# Altium PCB top_INA_v2.PcbDoc (part 2 of 4)
Units mil, origin at the board's own origin, x right, y up, seen from the top; angles counter-clockwise.
Board outline 13413.03 x 6200.01 mil, 2 copper layers (Top Layer, Bottom Layer); 582 components, 532 nets, 1562 pads, 336 vias.
Unrouted connection lines stored in the file: 144.
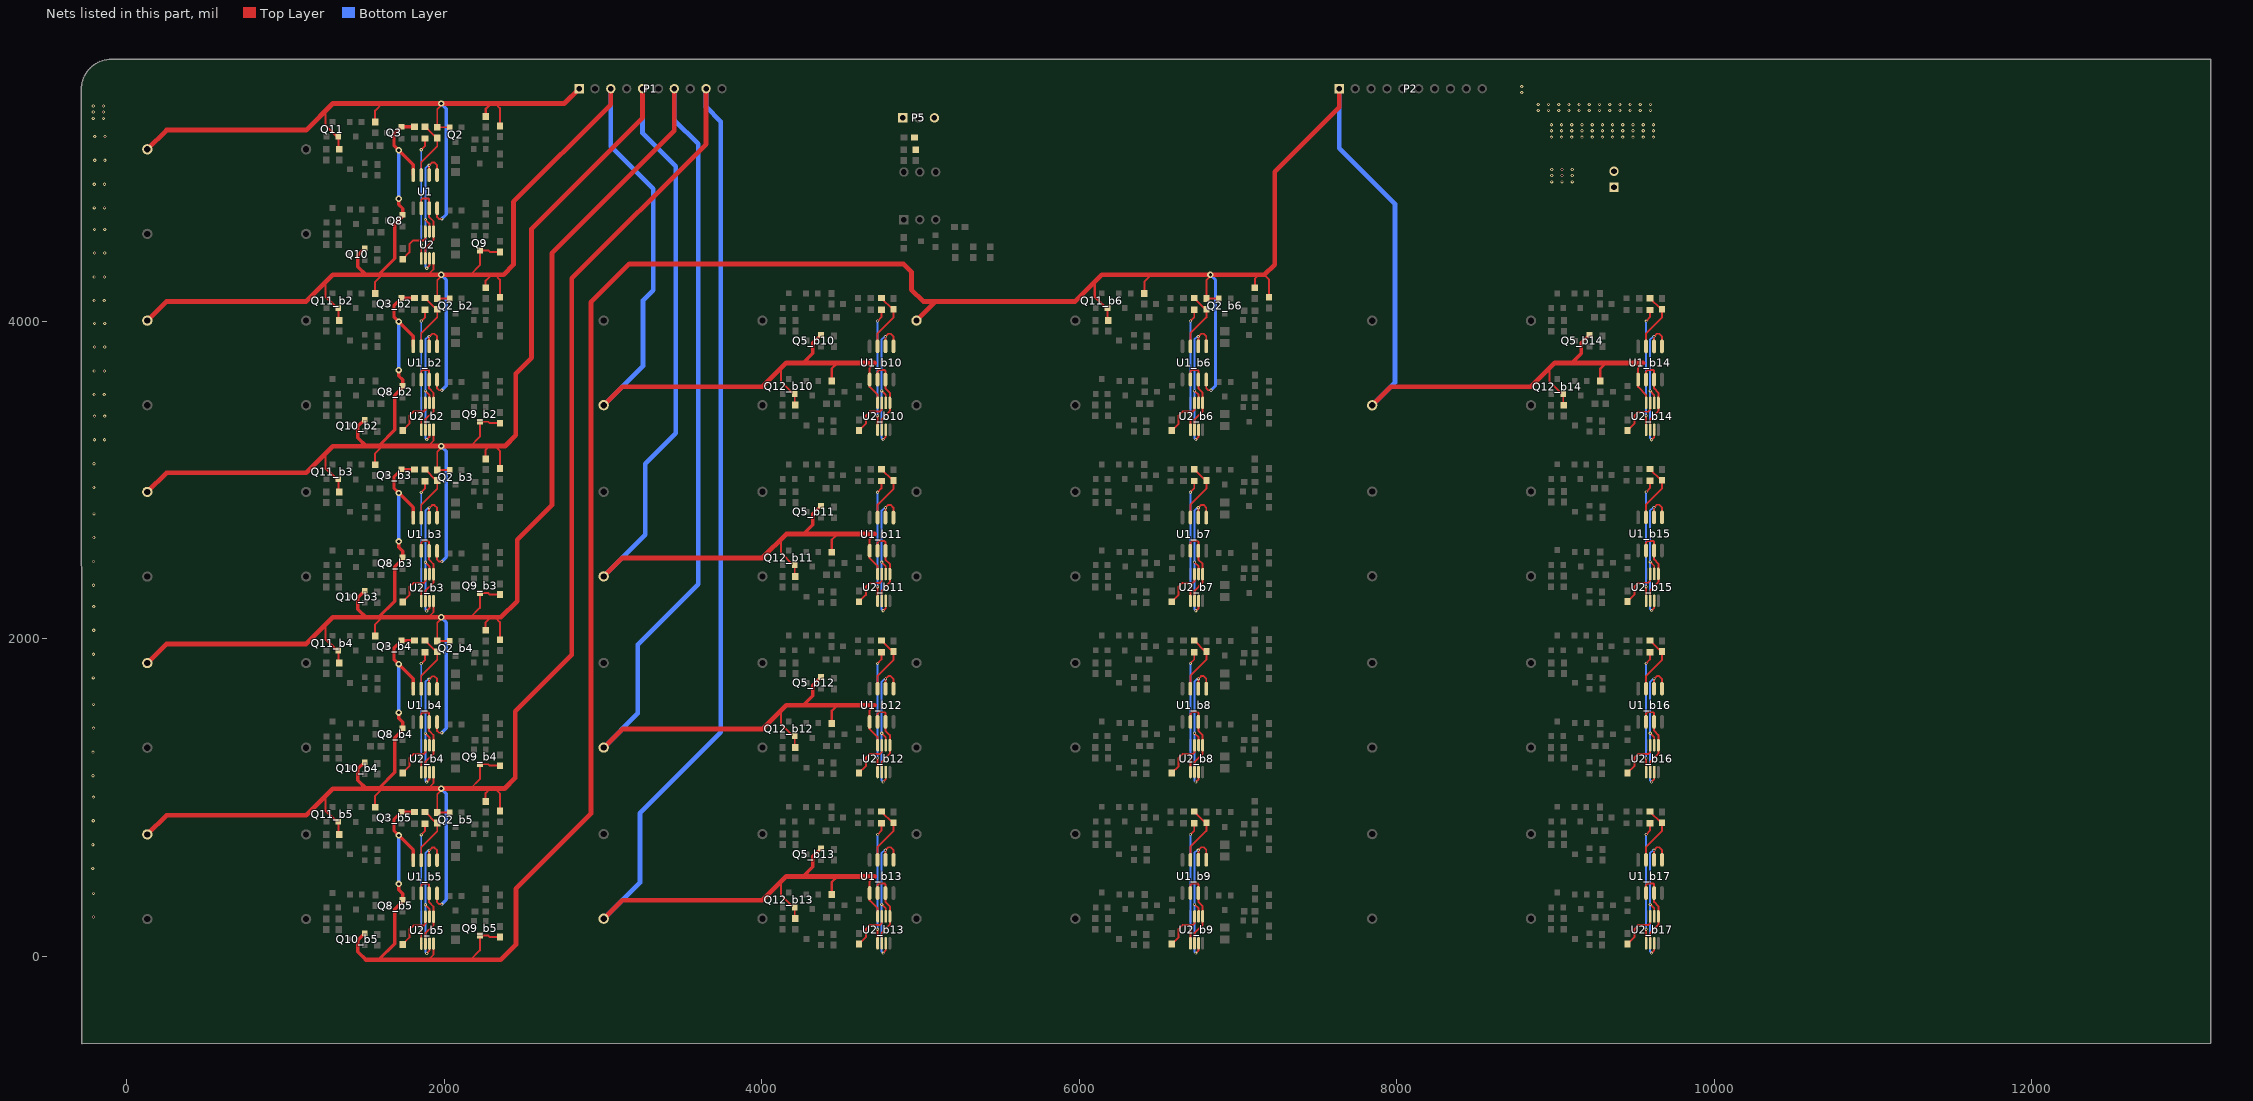
[diagram p2: the nets of this part, all layers, seen from the top]

## Components (designator, comment, footprint, x,y, rotation, side; value= is the part's Value field where it differs from the comment) (continued)
U2_b6 "INA2180" MSOP-8 6738.87,3400.54 r90 top (schematic designator U2)
U2_b7 "INA2180" MSOP-8 6738.87,2322.54 r90 top (schematic designator U2)
U2_b8 "INA2180" MSOP-8 6738.87,1244.54 r90 top (schematic designator U2)
U2_b9 "INA2180" MSOP-8 6738.87,166.54 r90 top (schematic designator U2)
U2_b10 "INA2180" MSOP-8 4768.87,3400.54 r90 top (schematic designator U2)
U2_b11 "INA2180" MSOP-8 4768.87,2322.54 r90 top (schematic designator U2)
U2_b12 "INA2180" MSOP-8 4768.87,1244.54 r90 top (schematic designator U2)
U2_b13 "INA2180" MSOP-8 4768.87,166.54 r90 top (schematic designator U2)
U2_b14 "INA2180" MSOP-8 9608.87,3400.28 r90 top (schematic designator U2)
U2_b15 "INA2180" MSOP-8 9608.87,2323.54 r90 top (schematic designator U2)
U2_b16 "INA2180" MSOP-8 9608.87,1244.54 r90 top (schematic designator U2)
U2_b17 "INA2180" MSOP-8 9608.87,166.54 r90 top (schematic designator U2)

## Footprints (in the part's own frame and the unit in brackets; to place one, negate y for a bottom-side part, rotate by r counter-clockwise, add the part's x,y. Pads: shape width x height; smd on the part's side, far side on the other; paste and mask are expansions set on the pad)
0603-1 [mm] "0603带丝印"
  rect 1.1x1 smd: 1(-0.85,0) 2(0.85,0)
  silkscreen extent -1.65,-0.76 1.65,0.76, body extent -0.8,-0.4 0.8,0.4, height 0.3
AXIAL-1.0 [mm] "Adjustable Magnetic-Core Inductor; 2 Leads"
  round 1.65 hole 1: 1(-12.7,0) 2(12.7,0)
  silkscreen extent -10.79,-3.81 10.79,3.81
C-0603 [mm] "贴片电容"
  rect 1.1x1 smd: 1(-0.85,0) 2(0.85,0)
  silkscreen extent -1.73,-0.76 1.73,0.76, body extent -0.8,-0.4 0.8,0.4, height 0.3
DIP-6 [mm]
  rect 1.5x1.5 hole 0.9: 1(-3.81,2.54)
  round 1.5 hole 0.9: 2(-3.81,0) 3(-3.81,-2.54) 4(3.81,-2.54) 5(3.81,0) 6(3.81,2.54)
  silkscreen extent -3.93,-3.94 2.65,3.96, body extent -3.6,-3.94 3.6,3.88, height 5.08
HDR2X1-2.54 [mm] "2.54单排针排座"
  rect 1.5x1.5 hole 0.9: 1(0,0)
  round 1.5 hole 0.9: 2(2.54,0)
  silkscreen extent -1.27,-1.27 3.81,1.27, body extent -1.27,-1.27 3.81,1.27, height 8.54
HDR3X1-2.54 [mm] "2.54单排针排座"
  rect 1.5x1.5 hole 0.9: 1(0,0)
  round 1.5 hole 0.9: 2(2.54,0) 3(5.08,0)
  silkscreen extent -1.27,-1.27 6.35,1.27, body extent -1.27,-1.27 6.35,1.27, height 8.54
HDR10X1-2.54 [mm]
  rect 1.5x1.5 hole 0.9: 1(-12.7,0)
  round 1.5 hole 0.9: 2(-10.16,0) 3(-7.62,0) 4(-5.08,0) 5(-2.54,0) 6(0,0) 7(2.54,0) 8(5.08,0) 9(7.62,0) 10(10.16,0)
  silkscreen extent -13.97,-1.27 11.43,1.27
LED-0805 [mm] "贴片LED"
  rect 1.3x1.5 smd: 1(-0.95,0) 2(0.95,0)
  silkscreen extent 1.91,-0.63 1.91,0.64
MSOP-8 [mm] "TSOP"
  oval 2x0.45 smd: 1(-2.15,0.975) 2(-2.15,0.325) 3(-2.15,-0.325) 4(-2.15,-0.975) 5(2.15,-0.975) 6(2.15,-0.325) 7(2.15,0.325) 8(2.15,0.975)
  silkscreen extent -2.27,-1.55 0.75,1.87, body extent -2.5,-1.5 2.5,1.5, height 0.85
SOIC-8 [mm]
  oval 2.2x0.6 smd: 1(-2.654,1.905) 2(-2.654,0.635) 3(-2.654,-0.635) 4(-2.654,-1.905) 5(2.654,-1.905) 6(2.654,-0.635) 7(2.654,0.635) 8(2.654,1.905)
  silkscreen extent -2.52,-2.5 0.9,2.88, body extent -3,-2.45 3,2.45, height 1.7
SOT23-3 [mm]
  rect 0.9x0.95 smd: 1(-0.95,-1.175) 2(0.95,-1.175) 3(0,1.175)
  silkscreen extent -2.03,-1.14 1.3,1.18, body extent -1.45,-1.4 1.45,1.4, height 1.2

## Part data
C1: "贴片瓷片电容"
D1 D1_b2 D1_b3 D1_b4 D1_b5 D1_b6 D1_b7 D1_b8 D1_b9 D2 D2_b2 D2_b3 D2_b4 D2_b5 D2_b6 D2_b7 D2_b8 D2_b9: library part Diode-R, "整流二极管"
J1: "固态继电器"
P1 P2 P5 P6: "接插件"
Q1 Q1_b2 Q1_b3 Q1_b4 Q1_b5 Q1_b6 Q1_b7 Q1_b8 Q1_b9 Q1_b10 Q1_b11 Q1_b12 Q1_b13 Q1_b14 Q1_b15 Q1_b16 Q1_b17 Q2 Q2_b2 Q2_b3 Q2_b4 Q2_b5 Q2_b6 Q2_b7 Q2_b8 Q2_b9 Q6 Q6_b2 Q6_b3 Q6_b4 Q6_b5 Q6_b6 Q6_b7 Q6_b8 Q6_b9 Q6_b10 Q6_b11 Q6_b12 Q6_b13 Q6_b14 Q6_b15 Q6_b16 Q6_b17 Q7 Q7_b2 Q7_b3 Q7_b4 Q7_b5 Q7_b6 Q7_b7 Q7_b8 Q7_b9 Q11 Q11_b2 Q11_b3 Q11_b4 Q11_b5 Q11_b6 Q11_b7 Q11_b8 Q11_b9 Q11_b10 Q11_b11 Q11_b12 Q11_b13 Q11_b14 Q11_b15 Q11_b16 Q11_b17 Q12 Q12_b2 Q12_b3 Q12_b4 Q12_b5 Q12_b6 Q12_b7 Q12_b8 Q12_b9 Q12_b10 Q12_b11 Q12_b12 Q12_b13 Q12_b14 Q12_b15 Q12_b16 Q12_b17: library part PNP1, "贴片三极管"
Q3 Q3_b2 Q3_b3 Q3_b4 Q3_b5 Q3_b6 Q3_b7 Q3_b8 Q3_b9 Q3_b10 Q3_b11 Q3_b12 Q3_b13 Q3_b14 Q3_b15 Q3_b16 Q3_b17 Q8 Q8_b2 Q8_b3 Q8_b4 Q8_b5 Q8_b6 Q8_b7 Q8_b8 Q8_b9 Q8_b10 Q8_b11 Q8_b12 Q8_b13 Q8_b14 Q8_b15 Q8_b16 Q8_b17 Q13: library part NPN1, "贴片三极管"
Q4 Q4_b2 Q4_b3 Q4_b4 Q4_b5 Q4_b6 Q4_b7 Q4_b8 Q4_b9 Q9 Q9_b2 Q9_b3 Q9_b4 Q9_b5 Q9_b6 Q9_b7 Q9_b8 Q9_b9: "可控精密稳压源"
Q5 Q5_b2 Q5_b3 Q5_b4 Q5_b5 Q5_b6 Q5_b7 Q5_b8 Q5_b9 Q5_b10 Q5_b11 Q5_b12 Q5_b13 Q5_b14 Q5_b15 Q5_b16 Q5_b17 Q10 Q10_b2 Q10_b3 Q10_b4 Q10_b5 Q10_b6 Q10_b7 Q10_b8 Q10_b9 Q10_b10 Q10_b11 Q10_b12 Q10_b13 Q10_b14 Q10_b15 Q10_b16 Q10_b17: library part MOSFET-N1, "MOSFET"
R1 R1_b2 R1_b3 R1_b4 R1_b5 R1_b6 R1_b7 R1_b8 R1_b9 R1_b10 R1_b11 R1_b12 R1_b13 R1_b14 R1_b15 R1_b16 R1_b17 R6 R6_b2 R6_b3 R6_b4 R6_b5 R6_b6 R6_b7 R6_b8 R6_b9 R6_b10 R6_b11 R6_b12 R6_b13 R6_b14 R6_b15 R6_b16 R6_b17 R7 R7_b2 R7_b3 R7_b4 R7_b5 R7_b6 R7_b7 R7_b8 R7_b9 R8 R8_b2 R8_b3 R8_b4 R8_b5 R8_b6 R8_b7 R8_b8 R8_b9 R9 R9_b2 R9_b3 R9_b4 R9_b5 R9_b6 R9_b7 R9_b8 R9_b9 R9_b10 R9_b11 R9_b12 R9_b13 R9_b14 R9_b15 R9_b16 R9_b17 R10 R10_b2 R10_b3 R10_b4 R10_b5 R10_b6 R10_b7 R10_b8 R10_b9 R10_b10 R10_b11 R10_b12 R10_b13 R10_b14 R10_b15 R10_b16 R10_b17 R11 R11_b2 R11_b3 R11_b4 R11_b5 R11_b6 R11_b7 R11_b8 R11_b9 R11_b10 R11_b11 R11_b12 R11_b13 R11_b14 R11_b15 R11_b16 R11_b17 R12 R12_b2 R12_b3 R12_b4 R12_b5 R12_b6 R12_b7 R12_b8 R12_b9 R12_b10 R12_b11 R12_b12 R12_b13 R12_b14 R12_b15 R12_b16 R12_b17 R13 R13_b2 R13_b3 R13_b4 R13_b5 R13_b6 R13_b7 R13_b8 R13_b9 R14 R14_b2 R14_b3 R14_b4 R14_b5 R14_b6 R14_b7 R14_b8 R14_b9 R14_b10 R14_b11 R14_b12 R14_b13 R14_b14 R14_b15 R14_b16 R14_b17 R19 R19_b2 R19_b3 R19_b4 R19_b5 R19_b6 R19_b7 R19_b8 R19_b9 R19_b10 R19_b11 R19_b12 R19_b13 R19_b14 R19_b15 R19_b16 R19_b17 R20 R20_b2 R20_b3 R20_b4 R20_b5 R20_b6 R20_b7 R20_b8 R20_b9 R21 R21_b2 R21_b3 R21_b4 R21_b5 R21_b6 R21_b7 R21_b8 R21_b9 R22 R22_b2 R22_b3 R22_b4 R22_b5 R22_b6 R22_b7 R22_b8 R22_b9 R22_b10 R22_b11 R22_b12 R22_b13 R22_b14 R22_b15 R22_b16 R22_b17 R23 R23_b2 R23_b3 R23_b4 R23_b5 R23_b6 R23_b7 R23_b8 R23_b9 R23_b10 R23_b11 R23_b12 R23_b13 R23_b14 R23_b15 R23_b16 R23_b17 R24 R24_b2 R24_b3 R24_b4 R24_b5 R24_b6 R24_b7 R24_b8 R24_b9 R25 R26 R27 R28 R29 R30 R31 R32 R32_b2 R32_b3 R32_b4 R32_b5 R32_b6 R32_b7 R32_b8 R32_b9 R33 R33_b2 R33_b3 R33_b4 R33_b5 R33_b6 R33_b7 R33_b8 R33_b9 R35 R35_b2 R35_b3 R35_b4 R35_b5 R35_b6 R35_b7 R35_b8 R35_b9 R35_b10 R35_b11 R35_b12 R35_b13 R35_b14 R35_b15 R35_b16 R35_b17 R37 R37_b2 R37_b3 R37_b4 R37_b5 R37_b6 R37_b7 R37_b8 R37_b9 R37_b10 R37_b11 R37_b12 R37_b13 R37_b14 R37_b15 R37_b16 R37_b17 R39 R39_b2 R39_b3 R39_b4 R39_b5 R39_b6 R39_b7 R39_b8 R39_b9 R39_b10 R39_b11 R39_b12 R39_b13 R39_b14 R39_b15 R39_b16 R39_b17 R40 R40_b2 R40_b3 R40_b4 R40_b5 R40_b6 R40_b7 R40_b8 R40_b9 R40_b10 R40_b11 R40_b12 R40_b13 R40_b14 R40_b15 R40_b16 R40_b17 R41 R41_b2 R41_b3 R41_b4 R41_b5 R41_b6 R41_b7 R41_b8 R41_b9 R41_b10 R41_b11 R41_b12 R41_b13 R41_b14 R41_b15 R41_b16 R41_b17 R42 R42_b2 R42_b3 R42_b4 R42_b5 R42_b6 R42_b7 R42_b8 R42_b9 R42_b10 R42_b11 R42_b12 R42_b13 R42_b14 R42_b15 R42_b16 R42_b17: "贴片电阻"
U1 U1_b2 U1_b3 U1_b4 U1_b5 U1_b6 U1_b7 U1_b8 U1_b9 U1_b10 U1_b11 U1_b12 U1_b13 U1_b14 U1_b15 U1_b16 U1_b17: "双运放"
U2 U2_b2 U2_b3 U2_b4 U2_b5 U2_b6 U2_b7 U2_b8 U2_b9 U2_b10 U2_b11 U2_b12 U2_b13 U2_b14 U2_b15 U2_b16 U2_b17: library part LM358, "双运放"

## Via types
v1: diameter 20, hole 10, Top Layer to Bottom Layer, 283 vias
v2: diameter 40, hole 20, Top Layer to Bottom Layer, 51 vias
v3: diameter 125.98, hole 125.98, Top Layer to Bottom Layer, 2 vias

## Nets (pads, with @x,y where several pads share a name; then routed paths per layer and width w, separated by ;. In a path a pad name is that pad's centre, name@x,y a point inside that pad or via, vN(x,y) a via of type N, cw(c..) or ccw(c..) an arc to the next point about the centre after c; other vN are vias at no path point)
+12V: P5.1
ALARM: C1.1 P5.3 R27.2
G1_VC1_BUF: U1.1 U1.2 U2.3 U2.6 | length 1011.1
  Top Layer w12: v1(1881.87,4639.54) 1907.66,4613.74 U2.6@1907.66,4564.18 ; v1(1890.87,4332.54) 1907.66,4349.33 U2.3@1907.66,4394.89 U2.3@1908.39,4395.62 ; U1.2@1905.87,4920.02 v1(1905.87,4981.54) 1923.87,4999.54 1938.87,4999.54 1955.87,4982.54 U1.1@1955.87,4920.02
  Bottom Layer w12: v1(1890.87,4332.54) 1881.87,4341.54 v1(1881.87,4639.54) 1881.87,4963.54 1899.87,4981.54 v1(1905.87,4981.54)
G1_VC1_BUF_b2: U1_b2.1 U1_b2.2 U2_b2.3 U2_b2.6 | length 1011.1
  Top Layer w12: v1(1881.87,3560.54) 1907.66,3534.74 U2_b2.6@1907.66,3485.18 ; v1(1890.87,3253.54) 1907.66,3270.33 U2_b2.3@1907.66,3315.89 U2_b2.3@1908.39,3316.62 ; U1_b2.2@1905.87,3841.02 v1(1905.87,3902.54) 1923.87,3920.54 1938.87,3920.54 1955.87,3903.54 U1_b2.1@1955.87,3841.02
  Bottom Layer w12: v1(1890.87,3253.54) 1881.87,3262.54 v1(1881.87,3560.54) 1881.87,3884.54 1899.87,3902.54 v1(1905.87,3902.54)
G1_VC1_BUF_b3: U1_b3.1 U1_b3.2 U2_b3.3 U2_b3.6 | length 1011.1
  Top Layer w12: v1(1881.87,2481.54) 1907.66,2455.74 U2_b3.6@1907.66,2406.18 ; v1(1890.87,2174.54) 1907.66,2191.33 U2_b3.3@1907.66,2236.89 U2_b3.3@1908.39,2237.62 ; U1_b3.2@1905.87,2762.02 v1(1905.87,2823.54) 1923.87,2841.54 1938.87,2841.54 1955.87,2824.54 U1_b3.1@1955.87,2762.02
  Bottom Layer w12: v1(1890.87,2174.54) 1881.87,2183.54 v1(1881.87,2481.54) 1881.87,2805.54 1899.87,2823.54 v1(1905.87,2823.54)
G1_VC1_BUF_b4: U1_b4.1 U1_b4.2 U2_b4.3 U2_b4.6 | length 1011.1
  Top Layer w12: v1(1881.87,1403.54) 1907.66,1377.74 U2_b4.6@1907.66,1328.18 ; v1(1890.87,1096.54) 1907.66,1113.33 U2_b4.3@1907.66,1158.89 U2_b4.3@1908.39,1159.62 ; U1_b4.2@1905.87,1684.02 v1(1905.87,1745.54) 1923.87,1763.54 1938.87,1763.54 1955.87,1746.54 U1_b4.1@1955.87,1684.02
  Bottom Layer w12: v1(1890.87,1096.54) 1881.87,1105.54 v1(1881.87,1403.54) 1881.87,1727.54 1899.87,1745.54 v1(1905.87,1745.54)
G1_VC1_BUF_b5: U1_b5.1 U1_b5.2 U2_b5.3 U2_b5.6 | length 1011.1
  Top Layer w12: v1(1881.87,324.54) 1907.66,298.74 U2_b5.6@1907.66,249.18 ; v1(1890.87,17.54) 1907.66,34.33 U2_b5.3@1907.66,79.89 U2_b5.3@1908.39,80.62 ; U1_b5.2@1905.87,605.02 v1(1905.87,666.54) 1923.87,684.54 1938.87,684.54 1955.87,667.54 U1_b5.1@1955.87,605.02
  Bottom Layer w12: v1(1890.87,17.54) 1881.87,26.54 v1(1881.87,324.54) 1881.87,648.54 1899.87,666.54 v1(1905.87,666.54)
G1_VC1_BUF_b6: U1_b6.1 U1_b6.2 U2_b6.3 U2_b6.6 | length 1011.1
  Top Layer w12: v1(6725.87,3560.54) 6751.66,3534.74 U2_b6.6@6751.66,3485.18 ; v1(6734.87,3253.54) 6751.66,3270.33 U2_b6.3@6751.66,3315.89 U2_b6.3@6752.39,3316.62 ; U1_b6.2@6749.87,3841.02 v1(6749.87,3902.54) 6767.87,3920.54 6782.87,3920.54 6799.87,3903.54 U1_b6.1@6799.87,3841.02
  Bottom Layer w12: v1(6734.87,3253.54) 6725.87,3262.54 v1(6725.87,3560.54) 6725.87,3884.54 6743.87,3902.54 v1(6749.87,3902.54)
G1_VC1_BUF_b7: U1_b7.1 U1_b7.2 U2_b7.3 U2_b7.6 | length 1011.1
  Top Layer w12: v1(6725.87,2482.54) 6751.66,2456.74 U2_b7.6@6751.66,2407.18 ; v1(6734.87,2175.54) 6751.66,2192.33 U2_b7.3@6751.66,2237.89 U2_b7.3@6752.39,2238.62 ; U1_b7.2@6749.87,2763.02 v1(6749.87,2824.54) 6767.87,2842.54 6782.87,2842.54 6799.87,2825.54 U1_b7.1@6799.87,2763.02
  Bottom Layer w12: v1(6734.87,2175.54) 6725.87,2184.54 v1(6725.87,2482.54) 6725.87,2806.54 6743.87,2824.54 v1(6749.87,2824.54)
G1_VC1_BUF_b8: U1_b8.1 U1_b8.2 U2_b8.3 U2_b8.6 | length 1011.1
  Top Layer w12: v1(6725.87,1404.54) 6751.66,1378.74 U2_b8.6@6751.66,1329.18 ; v1(6734.87,1097.54) 6751.66,1114.33 U2_b8.3@6751.66,1159.89 U2_b8.3@6752.39,1160.62 ; U1_b8.2@6749.87,1685.02 v1(6749.87,1746.54) 6767.87,1764.54 6782.87,1764.54 6799.87,1747.54 U1_b8.1@6799.87,1685.02
  Bottom Layer w12: v1(6734.87,1097.54) 6725.87,1106.54 v1(6725.87,1404.54) 6725.87,1728.54 6743.87,1746.54 v1(6749.87,1746.54)
G1_VC1_BUF_b9: U1_b9.1 U1_b9.2 U2_b9.3 U2_b9.6 | length 1011.1
  Top Layer w12: v1(6725.87,326.54) 6751.66,300.74 U2_b9.6@6751.66,251.18 ; v1(6734.87,19.54) 6751.66,36.33 U2_b9.3@6751.66,81.89 U2_b9.3@6752.39,82.62 ; U1_b9.2@6749.87,607.02 v1(6749.87,668.54) 6767.87,686.54 6782.87,686.54 6799.87,669.54 U1_b9.1@6799.87,607.02
  Bottom Layer w12: v1(6734.87,19.54) 6725.87,28.54 v1(6725.87,326.54) 6725.87,650.54 6743.87,668.54 v1(6749.87,668.54)
G1_VC1_BUF_b10: U1_b10.1 U1_b10.2 U2_b10.3 U2_b10.6 | length 1011.1
  Top Layer w12: v1(4755.87,3560.54) 4781.66,3534.74 U2_b10.6@4781.66,3485.18 ; v1(4764.87,3253.54) 4781.66,3270.33 U2_b10.3@4781.66,3315.89 U2_b10.3@4782.39,3316.62 ; U1_b10.2@4779.87,3841.02 v1(4779.87,3902.54) 4797.87,3920.54 4812.87,3920.54 4829.87,3903.54 U1_b10.1@4829.87,3841.02
  Bottom Layer w12: v1(4764.87,3253.54) 4755.87,3262.54 v1(4755.87,3560.54) 4755.87,3884.54 4773.87,3902.54 v1(4779.87,3902.54)
G1_VC1_BUF_b11: U1_b11.1 U1_b11.2 U2_b11.3 U2_b11.6 | length 1011.1
  Top Layer w12: v1(4755.87,2482.54) 4781.66,2456.74 U2_b11.6@4781.66,2407.18 ; v1(4764.87,2175.54) 4781.66,2192.33 U2_b11.3@4781.66,2237.89 U2_b11.3@4782.39,2238.62 ; U1_b11.2@4779.87,2763.02 v1(4779.87,2824.54) 4797.87,2842.54 4812.87,2842.54 4829.87,2825.54 U1_b11.1@4829.87,2763.02
  Bottom Layer w12: v1(4764.87,2175.54) 4755.87,2184.54 v1(4755.87,2482.54) 4755.87,2806.54 4773.87,2824.54 v1(4779.87,2824.54)
G1_VC1_BUF_b12: U1_b12.1 U1_b12.2 U2_b12.3 U2_b12.6 | length 1011.1
  Top Layer w12: v1(4755.87,1404.54) 4781.66,1378.74 U2_b12.6@4781.66,1329.18 ; v1(4764.87,1097.54) 4781.66,1114.33 U2_b12.3@4781.66,1159.89 U2_b12.3@4782.39,1160.62 ; U1_b12.2@4779.87,1685.02 v1(4779.87,1746.54) 4797.87,1764.54 4812.87,1764.54 4829.87,1747.54 U1_b12.1@4829.87,1685.02
  Bottom Layer w12: v1(4764.87,1097.54) 4755.87,1106.54 v1(4755.87,1404.54) 4755.87,1728.54 4773.87,1746.54 v1(4779.87,1746.54)
G1_VC1_BUF_b13: U1_b13.1 U1_b13.2 U2_b13.3 U2_b13.6 | length 1011.1
  Top Layer w12: v1(4755.87,326.54) 4781.66,300.74 U2_b13.6@4781.66,251.18 ; v1(4764.87,19.54) 4781.66,36.33 U2_b13.3@4781.66,81.89 U2_b13.3@4782.39,82.62 ; U1_b13.2@4779.87,607.02 v1(4779.87,668.54) 4797.87,686.54 4812.87,686.54 4829.87,669.54 U1_b13.1@4829.87,607.02
  Bottom Layer w12: v1(4764.87,19.54) 4755.87,28.54 v1(4755.87,326.54) 4755.87,650.54 4773.87,668.54 v1(4779.87,668.54)
G1_VC1_BUF_b14: U1_b14.1 U1_b14.2 U2_b14.3 U2_b14.6 | length 1011.1
  Top Layer w12: v1(9595.87,3560.28) 9621.66,3534.48 U2_b14.6@9621.66,3484.92 ; v1(9604.87,3253.28) 9621.66,3270.07 U2_b14.3@9621.66,3315.63 U2_b14.3@9622.39,3316.36 ; U1_b14.2@9619.87,3840.76 v1(9619.87,3902.28) 9637.87,3920.28 9652.87,3920.28 9669.87,3903.28 U1_b14.1@9669.87,3840.76
  Bottom Layer w12: v1(9604.87,3253.28) 9595.87,3262.28 v1(9595.87,3560.28) 9595.87,3884.28 9613.87,3902.28 v1(9619.87,3902.28)
G1_VC1_BUF_b15: U1_b15.1 U1_b15.2 U2_b15.3 U2_b15.6 | length 1011.1
  Top Layer w12: v1(9595.87,2483.54) 9621.66,2457.74 U2_b15.6@9621.66,2408.18 ; v1(9604.87,2176.54) 9621.66,2193.33 U2_b15.3@9621.66,2238.89 U2_b15.3@9622.39,2239.62 ; U1_b15.2@9619.87,2764.02 v1(9619.87,2825.54) 9637.87,2843.54 9652.87,2843.54 9669.87,2826.54 U1_b15.1@9669.87,2764.02
  Bottom Layer w12: v1(9604.87,2176.54) 9595.87,2185.54 v1(9595.87,2483.54) 9595.87,2807.54 9613.87,2825.54 v1(9619.87,2825.54)
G1_VC1_BUF_b16: U1_b16.1 U1_b16.2 U2_b16.3 U2_b16.6 | length 1011.1
  Top Layer w12: v1(9595.87,1404.54) 9621.66,1378.74 U2_b16.6@9621.66,1329.18 ; v1(9604.87,1097.54) 9621.66,1114.33 U2_b16.3@9621.66,1159.89 U2_b16.3@9622.39,1160.62 ; U1_b16.2@9619.87,1685.02 v1(9619.87,1746.54) 9637.87,1764.54 9652.87,1764.54 9669.87,1747.54 U1_b16.1@9669.87,1685.02
  Bottom Layer w12: v1(9604.87,1097.54) 9595.87,1106.54 v1(9595.87,1404.54) 9595.87,1728.54 9613.87,1746.54 v1(9619.87,1746.54)
G1_VC1_BUF_b17: U1_b17.1 U1_b17.2 U2_b17.3 U2_b17.6 | length 1011.1
  Top Layer w12: v1(9595.87,326.54) 9621.66,300.74 U2_b17.6@9621.66,251.18 ; v1(9604.87,19.54) 9621.66,36.33 U2_b17.3@9621.66,81.89 U2_b17.3@9622.39,82.62 ; U1_b17.2@9619.87,607.02 v1(9619.87,668.54) 9637.87,686.54 9652.87,686.54 9669.87,669.54 U1_b17.1@9669.87,607.02
  Bottom Layer w12: v1(9604.87,19.54) 9595.87,28.54 v1(9595.87,326.54) 9595.87,650.54 9613.87,668.54 v1(9619.87,668.54)
G1_VC1_DISCH: R10.2 U2.1 | length 765.4
  Top Layer w12: v1(1855.87,4483.54) 1855.87,4395.5 U2.1@1856.48,4394.89 ; v1(1855.87,5079.54) 1880.2,5103.87 R10.2@1880.2,5149.94
  Bottom Layer w12: v1(1855.87,4483.54) v1(1855.87,5079.54)
G1_VC1_DISCH_b2: R10_b2.2 U2_b2.1 | length 765.4
  Top Layer w12: v1(1855.87,3404.54) 1855.87,3316.5 U2_b2.1@1856.48,3315.89 ; v1(1855.87,4000.54) 1880.2,4024.87 R10_b2.2@1880.2,4070.94
  Bottom Layer w12: v1(1855.87,3404.54) v1(1855.87,4000.54)
G1_VC1_DISCH_b3: R10_b3.2 U2_b3.1 | length 765.4
  Top Layer w12: v1(1855.87,2325.54) 1855.87,2237.5 U2_b3.1@1856.48,2236.89 ; v1(1855.87,2921.54) 1880.2,2945.87 R10_b3.2@1880.2,2991.94
  Bottom Layer w12: v1(1855.87,2325.54) v1(1855.87,2921.54)
G1_VC1_DISCH_b4: R10_b4.2 U2_b4.1 | length 765.4
  Top Layer w12: v1(1855.87,1247.54) 1855.87,1159.5 U2_b4.1@1856.48,1158.89 ; v1(1855.87,1843.54) 1880.2,1867.87 R10_b4.2@1880.2,1913.94
  Bottom Layer w12: v1(1855.87,1247.54) v1(1855.87,1843.54)
G1_VC1_DISCH_b5: R10_b5.2 U2_b5.1 | length 765.4
  Top Layer w12: v1(1855.87,168.54) 1855.87,80.5 U2_b5.1@1856.48,79.89 ; v1(1855.87,764.54) 1880.2,788.87 R10_b5.2@1880.2,834.94
  Bottom Layer w12: v1(1855.87,168.54) v1(1855.87,764.54)
G1_VC1_DISCH_b6: R10_b6.2 U2_b6.1 | length 765.4
  Top Layer w12: v1(6699.87,3404.54) 6699.87,3316.5 U2_b6.1@6700.48,3315.89 ; v1(6699.87,4000.54) 6724.2,4024.87 R10_b6.2@6724.2,4070.94
  Bottom Layer w12: v1(6699.87,3404.54) v1(6699.87,4000.54)
G1_VC1_DISCH_b7: R10_b7.2 U2_b7.1 | length 765.4
  Top Layer w12: v1(6699.87,2326.54) 6699.87,2238.5 U2_b7.1@6700.48,2237.89 ; v1(6699.87,2922.54) 6724.2,2946.87 R10_b7.2@6724.2,2992.94
  Bottom Layer w12: v1(6699.87,2326.54) v1(6699.87,2922.54)
G1_VC1_DISCH_b8: R10_b8.2 U2_b8.1 | length 765.4
  Top Layer w12: v1(6699.87,1248.54) 6699.87,1160.5 U2_b8.1@6700.48,1159.89 ; v1(6699.87,1844.54) 6724.2,1868.87 R10_b8.2@6724.2,1914.94
  Bottom Layer w12: v1(6699.87,1248.54) v1(6699.87,1844.54)
G1_VC1_DISCH_b9: R10_b9.2 U2_b9.1 | length 765.4
  Top Layer w12: v1(6699.87,170.54) 6699.87,82.5 U2_b9.1@6700.48,81.89 ; v1(6699.87,766.54) 6724.2,790.87 R10_b9.2@6724.2,836.94
  Bottom Layer w12: v1(6699.87,170.54) v1(6699.87,766.54)
G1_VC1_DISCH_b10: R10_b10.2 U2_b10.1 | length 765.4
  Top Layer w12: v1(4729.87,3404.54) 4729.87,3316.5 U2_b10.1@4730.48,3315.89 ; v1(4729.87,4000.54) 4754.2,4024.87 R10_b10.2@4754.2,4070.94
  Bottom Layer w12: v1(4729.87,3404.54) v1(4729.87,4000.54)
G1_VC1_DISCH_b11: R10_b11.2 U2_b11.1 | length 765.4
  Top Layer w12: v1(4729.87,2326.54) 4729.87,2238.5 U2_b11.1@4730.48,2237.89 ; v1(4729.87,2922.54) 4754.2,2946.87 R10_b11.2@4754.2,2992.94
  Bottom Layer w12: v1(4729.87,2326.54) v1(4729.87,2922.54)
G1_VC1_DISCH_b12: R10_b12.2 U2_b12.1 | length 765.4
  Top Layer w12: v1(4729.87,1248.54) 4729.87,1160.5 U2_b12.1@4730.48,1159.89 ; v1(4729.87,1844.54) 4754.2,1868.87 R10_b12.2@4754.2,1914.94
  Bottom Layer w12: v1(4729.87,1248.54) v1(4729.87,1844.54)
G1_VC1_DISCH_b13: R10_b13.2 U2_b13.1 | length 765.4
  Top Layer w12: v1(4729.87,170.54) 4729.87,82.5 U2_b13.1@4730.48,81.89 ; v1(4729.87,766.54) 4754.2,790.87 R10_b13.2@4754.2,836.94
  Bottom Layer w12: v1(4729.87,170.54) v1(4729.87,766.54)
G1_VC1_DISCH_b14: R10_b14.2 U2_b14.1 | length 765.4
  Top Layer w12: v1(9569.87,3404.28) 9569.87,3316.24 U2_b14.1@9570.48,3315.63 ; v1(9569.87,4000.28) 9594.2,4024.61 R10_b14.2@9594.2,4070.68
  Bottom Layer w12: v1(9569.87,3404.28) v1(9569.87,4000.28)
G1_VC1_DISCH_b15: R10_b15.2 U2_b15.1 | length 765.4
  Top Layer w12: v1(9569.87,2327.54) 9569.87,2239.5 U2_b15.1@9570.48,2238.89 ; v1(9569.87,2923.54) 9594.2,2947.87 R10_b15.2@9594.2,2993.94
  Bottom Layer w12: v1(9569.87,2327.54) v1(9569.87,2923.54)
G1_VC1_DISCH_b16: R10_b16.2 U2_b16.1 | length 765.4
  Top Layer w12: v1(9569.87,1248.54) 9569.87,1160.5 U2_b16.1@9570.48,1159.89 ; v1(9569.87,1844.54) 9594.2,1868.87 R10_b16.2@9594.2,1914.94
  Bottom Layer w12: v1(9569.87,1248.54) v1(9569.87,1844.54)
G1_VC1_DISCH_b17: R10_b17.2 U2_b17.1 | length 765.4
  Top Layer w12: v1(9569.87,170.54) 9569.87,82.5 U2_b17.1@9570.48,81.89 ; v1(9569.87,766.54) 9594.2,790.87 R10_b17.2@9594.2,836.94
  Bottom Layer w12: v1(9569.87,170.54) v1(9569.87,766.54)
G1_VC1_VOL: R9.1 R12.2 U1.3 | length 381.5
  Top Layer w12: U1.3@1855.87,4920.02 1855.87,5001.54 1956.87,5102.54 R9.1@1956.87,5154.07 1950.06,5154.07 R12.2@1880.2,5223.94
G1_VC1_VOL_b2: R9_b2.1 R12_b2.2 U1_b2.3 | length 381.5
  Top Layer w12: U1_b2.3@1855.87,3841.02 1855.87,3922.54 1956.87,4023.54 R9_b2.1@1956.87,4075.07 1950.06,4075.07 R12_b2.2@1880.2,4144.94
G1_VC1_VOL_b3: R9_b3.1 R12_b3.2 U1_b3.3 | length 381.5
  Top Layer w12: U1_b3.3@1855.87,2762.02 1855.87,2843.54 1956.87,2944.54 R9_b3.1@1956.87,2996.07 1950.06,2996.07 R12_b3.2@1880.2,3065.94
G1_VC1_VOL_b4: R9_b4.1 R12_b4.2 U1_b4.3 | length 381.5
  Top Layer w12: U1_b4.3@1855.87,1684.02 1855.87,1765.54 1956.87,1866.54 R9_b4.1@1956.87,1918.07 1950.06,1918.07 R12_b4.2@1880.2,1987.94